# Altium PCB 1 040 1573.rev01.PcbDoc (part 1 of 3) (continued)
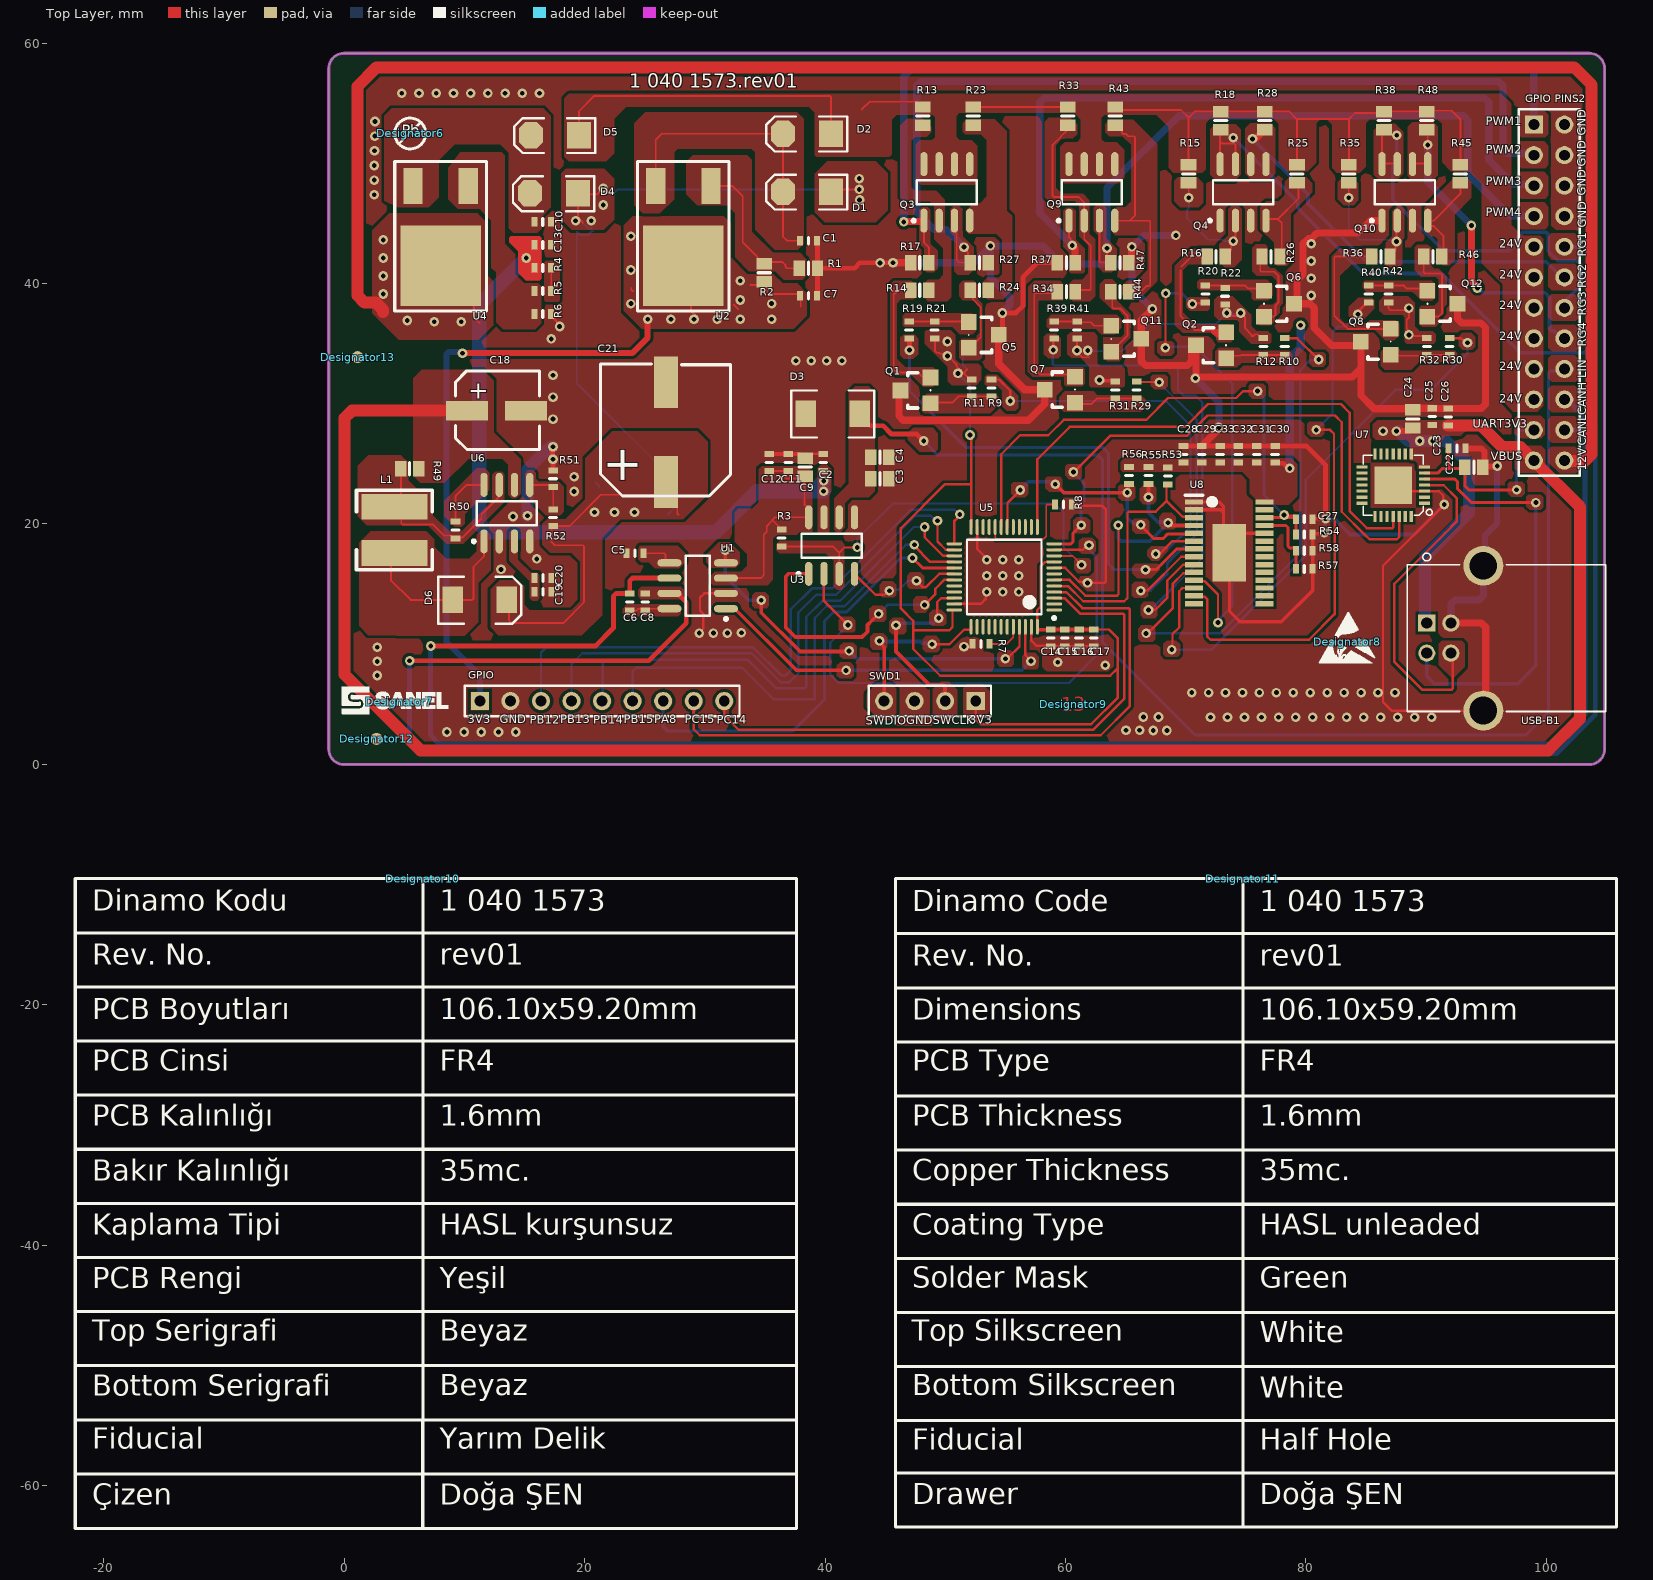
[diagram p0: Top Layer view]
## Part data
C1 C7 C10 C13 C25 C29: library part CAP_CER_SMD_1UF_50V_0603_AEC, "1 043 0030", LatestRevisionDate=17-Jul-2002, LatestRevisionNote="Re-released for DXP Platform.", PackageReference=RAD-0.3, Published=8-Jun-2000, Publisher="Altium Limited", Stok Kodu="1 043 0030"
C2 C11 C15 C23 C26 C27 C28: library part CAP_CER_SMD_100NF_50V_0603_AEC, "1 043 0098", LatestRevisionDate=17-Jul-2002, LatestRevisionNote="Re-released for DXP Platform.", PackageReference=RAD-0.3, Published=8-Jun-2000, Publisher="Altium Limited", Stok Kodu="1 043 0098"
C3 C4: library part CAP_CER_SMD_220PF_50V_0805, "1 043 0179", LatestRevisionDate=17-Jul-2002, LatestRevisionNote="Re-released for DXP Platform.", PackageReference=RAD-0.3, Published=8-Jun-2000, Publisher="Altium Limited", Stok Kodu="1 043 0179"
C5: library part CAP_CER_SMD_100NF_50V_0603, "1 043 0097", LatestRevisionDate=17-Jul-2002, LatestRevisionNote="Re-released for DXP Platform.", PackageReference=RAD-0.3, Published=8-Jun-2000, Publisher="Altium Limited", Stok Kodu="1 043 0097"
C6 C8: library part CAP_CER_SMD_22PF_50V_%5_0603, "1 043 0235", LatestRevisionDate=17-Jul-2002, LatestRevisionNote="Re-released for DXP Platform.", PackageReference=RAD-0.3, Published=8-Jun-2000, Publisher="Altium Limited", Stok Kodu="1 043 0235"
C9 C22: library part CAP_CER_SMD_4.7UF_35V_0805, "1 043 0232", LatestRevisionDate=17-Jul-2002, LatestRevisionNote="Re-released for DXP Platform.", PackageReference=RAD-0.3, Published=8-Jun-2000, Publisher="Altium Limited", Stok Kodu="1 043 0232"
C12 C16 C30 C31 C32 C33: library part CAP_CER_SMD_10NF_50V_0603_AEC, "1 043 0103", LatestRevisionDate=17-Jul-2002, LatestRevisionNote="Re-released for DXP Platform.", PackageReference=RAD-0.3, Published=8-Jun-2000, Publisher="Altium Limited", Stok Kodu="1 043 0103"
C14: library part CAP_CER_SMD_470NF_50V_0603, "1 043 0128", LatestRevisionDate=17-Jul-2002, LatestRevisionNote="Re-released for DXP Platform.", PackageReference=RAD-0.3, Published=8-Jun-2000, Publisher="Altium Limited", Stok Kodu="1 043 0128"
C17 C20: library part CAP_CER_SMD_1NF_50V_0603, "1 043 0109", LatestRevisionDate=17-Jul-2002, LatestRevisionNote="Re-released for DXP Platform.", PackageReference=RAD-0.3, Published=8-Jun-2000, Publisher="Altium Limited", Stok Kodu="1 043 0109"
C18: library part CAP_ALM_SMD_100UF_16V_1, "1 043 0020", LatestRevisionDate=17-Jul-2002, LatestRevisionNote="Re-released for DXP Platform.", PackageReference=POLAR0.8, Published=8-Jun-2000, Publisher="Altium Limited", Stok Kodu="1 043 0020"
C19: library part CAP_CER_SMD_560PF_50V_0603, "1 043 0220", LatestRevisionDate=17-Jul-2002, LatestRevisionNote="Re-released for DXP Platform.", PackageReference=RAD-0.3, Published=8-Jun-2000, Publisher="Altium Limited", Stok Kodu="1 043 0220"
C21: "1 043 0043", LatestRevisionDate=17-Jul-2002, LatestRevisionNote="Re-released for DXP Platform.", PackageReference=RAD-0.3, Published=8-Jun-2000, Publisher="Altium Limited", Stok Kodu="1 043 0043"
C24: library part CAP_CER_SMD_10UF_25V_0805, "1 043 0227", LatestRevisionDate=17-Jul-2002, LatestRevisionNote="Re-released for DXP Platform.", PackageReference=RAD-0.3, Published=8-Jun-2000, Publisher="Altium Limited", Stok Kodu="1 043 0227"
D1 D2 D4 D5: library part DIODE_1000V_2A_DO214AC_S2M_VISHAY_SA2M-E3/5AT, "1 044 0078", PackageDocument=Aug-1999, Code_JEDEC=DO-214-AC, ComponentLink1Description="Manufacturer Link", ComponentLink1URL=http://www.fairchildsemi.com/, ComponentLink2Description=Datasheet, ComponentLink2URL=http://www.fairchildsemi.com/ds/1N%2F1N4001.pdf, DatasheetDocument=1998, LatestRevisionDate=17-Jul-2002, LatestRevisionNote="Re-released for DXP Platform.", PackageReference=DO-41, Published=8-Jun-2000, Publisher="Altium Limited", Stok Kodu="1 044 0078"
D3: library part DIODE_TVS_53.3V_11.3A_DO214AA_SMBJ33CA, "1 044 0085", LatestRevisionDate=17-Jul-2002, LatestRevisionNote="Re-released for DXP Platform.", PackageDescription="Axial Lead Diode", PackageReference=DO-7, Published=24-Mar-1999, Publisher="Altium Limited", Stok Kodu="1 044 0085"
D6: "1 044 0063", Code_JEDEC=DO-214-AA, LatestRevisionDate=17-Jul-2002, LatestRevisionNote="Re-released for DXP Platform.", PackageReference=SMB, Published=8-Jun-2000, Publisher="Altium Limited", Stok Kodu="1 044 0063"
GPIO: "Header, 9-Pin", LatestRevisionDate=17-Jul-2002, LatestRevisionNote="Re-released for DXP Platform.", Publisher="Altium Limited"
"GPIO PINS2": library part "Header 12X2A", "Header, 12-Pin, Dual row", LatestRevisionDate=17-Jul-2002, LatestRevisionNote="Re-released for DXP Platform.", Publisher="Altium Limited"
L1: library part "47uH_900mA. Coil", "1 048 0071"
Q1 Q2 Q5 Q6 Q7 Q8 Q11 Q12: library part MOSFET_SMD_NCH_60V_2.7A_SOT23_INFINEON_IRLML0060, "1 045 0018", Manufacturer="Infineon Technologies", ComponentLink1Description="Manufacturer Link", ComponentLink1URL=http://www.irf.com/, DatasheetVersion=PD-9.814, LatestRevisionDate=17-Jul-2002, LatestRevisionNote="Re-released for DXP Platform.", Manufacturer Product Number=IRLML0060, Note="Pin 2 is electrically connected to pin 4.", PackageDescription="TO, Thru-Hole, Vertical, Heatsink Mounted; 3 In-Line Leads; Pitch 2.54 mm", PackageReference=TO-220AB, PackageVersion=Feb-1997, Published=8-Jun-2000, Publisher="Altium Limited", Stok Kodu="1 045 0018"
Q3 Q4 Q9 Q10: "1 045 0014", Manufacturer="Infineon Technologies", Manufacturer Product Number=IRF7342, Code_JEDEC=SOT-23, LatestRevisionDate=17-Jul-2002, LatestRevisionNote="Re-released for DXP Platform.", PackageReference=SOT-23B, Published=8-Jun-2000, Publisher="Altium Limited", Stok Kodu="1 045 0014"
R1: library part RES_SMD_560R_%1_0805, "1 042 0502", LatestRevisionDate=17-Jul-2002, LatestRevisionNote="Re-released for DXP Platform.", PackageReference=AXIAL-0.3, Published=8-Jun-2000, Publisher="Altium Limited", Stok Kodu="1 042 0502"
R2: library part RES_SMD_330R_%1_0805, "1 042 0617", LatestRevisionDate=17-Jul-2002, LatestRevisionNote="Re-released for DXP Platform.", PackageReference=AXIAL-0.3, Published=8-Jun-2000, Publisher="Altium Limited", Stok Kodu="1 042 0617"
R3: library part RES_SMD_10K_%1_0603_AEC, "1 042 0276", LatestRevisionDate=17-Jul-2002, LatestRevisionNote="Re-released for DXP Platform.", PackageReference=AXIAL-0.3, Published=8-Jun-2000, Publisher="Altium Limited", Stok Kodu="1 042 0276"
R4 R5: library part RES_SMD_470R_%1_0603, "1 042 0611", LatestRevisionDate=17-Jul-2002, LatestRevisionNote="Re-released for DXP Platform.", PackageReference=AXIAL-0.3, Published=8-Jun-2000, Publisher="Altium Limited", Stok Kodu="1 042 0611"
R6: library part RES_SMD_8K2_%1_0603, "1 042 0610", LatestRevisionDate=17-Jul-2002, LatestRevisionNote="Re-released for DXP Platform.", PackageReference=AXIAL-0.3, Published=8-Jun-2000, Publisher="Altium Limited", Stok Kodu="1 042 0610"
R7 R8 R11 R12 R21 R22 R31 R32 R41 R42: library part RES_SMD_1K_%1_0603_AEC, "1 042 0331", LatestRevisionDate=17-Jul-2002, LatestRevisionNote="Re-released for DXP Platform.", PackageReference=AXIAL-0.3, Published=8-Jun-2000, Publisher="Altium Limited", Stok Kodu="1 042 0331"
R9 R10 R19 R20 R29 R30 R39 R40: library part RES_SMD_100R_%1_0603_AEC, "1 042 0269", LatestRevisionDate=17-Jul-2002, LatestRevisionNote="Re-released for DXP Platform.", PackageReference=AXIAL-0.3, Published=8-Jun-2000, Publisher="Altium Limited", Stok Kodu="1 042 0269"
R13 R14 R15 R16 R23 R24 R25 R26 R33 R34 R35 R36 R43 R44 R45 R46: library part RES_SMD_470R_%1_0805, "1 042 0476", LatestRevisionDate=17-Jul-2002, LatestRevisionNote="Re-released for DXP Platform.", PackageReference=AXIAL-0.3, Published=8-Jun-2000, Publisher="Altium Limited", Stok Kodu="1 042 0476"
R17 R18 R27 R28 R37 R38 R47 R48: library part RES_SMD_10K_%1_0805, "1 042 0278", LatestRevisionDate=17-Jul-2002, LatestRevisionNote="Re-released for DXP Platform.", PackageReference=AXIAL-0.3, Published=8-Jun-2000, Publisher="Altium Limited", Stok Kodu="1 042 0278"
R49: library part RES_SMD_0R22_%5_0805, "1 042 0614", LatestRevisionDate=17-Jul-2002, LatestRevisionNote="Re-released for DXP Platform.", PackageReference=AXIAL-0.3, Published=8-Jun-2000, Publisher="Altium Limited", Stok Kodu="1 042 0614"
R50: library part RES_SMD_180R_%5_0603, "1 042 0558", LatestRevisionDate=17-Jul-2002, LatestRevisionNote="Re-released for DXP Platform.", PackageReference=AXIAL-0.3, Published=8-Jun-2000, Publisher="Altium Limited", Stok Kodu="1 042 0558"
R51: library part RES_SMD_270R_%1_0603, "1 042 0622", LatestRevisionDate=17-Jul-2002, LatestRevisionNote="Re-released for DXP Platform.", PackageReference=AXIAL-0.3, Published=8-Jun-2000, Publisher="Altium Limited", Stok Kodu="1 042 0622"
R52: library part RES_SMD_2K7_%1_0603, "1 042 0625", LatestRevisionDate=17-Jul-2002, LatestRevisionNote="Re-released for DXP Platform.", PackageReference=AXIAL-0.3, Published=8-Jun-2000, Publisher="Altium Limited", Stok Kodu="1 042 0625"
R53 R55: library part RES_SMD_2K_%5_0603, "1 042 0399", LatestRevisionDate=17-Jul-2002, LatestRevisionNote="Re-released for DXP Platform.", PackageReference=AXIAL-0.3, Published=8-Jun-2000, Publisher="Altium Limited", Stok Kodu="1 042 0399"
R54 R56: library part RES_SMD_100K_%1_0603_AEC, "1 042 0261", LatestRevisionDate=17-Jul-2002, LatestRevisionNote="Re-released for DXP Platform.", PackageReference=AXIAL-0.3, Published=8-Jun-2000, Publisher="Altium Limited", Stok Kodu="1 042 0261"
R57: library part RES_SMD_820K_%5_0603, "1 042 0543", LatestRevisionDate=17-Jul-2002, LatestRevisionNote="Re-released for DXP Platform.", PackageReference=AXIAL-0.3, Published=8-Jun-2000, Publisher="Altium Limited", Stok Kodu="1 042 0543"
R58: library part RES_SMD_39K_%5_0603, "1 042 0446", LatestRevisionDate=17-Jul-2002, LatestRevisionNote="Re-released for DXP Platform.", PackageReference=AXIAL-0.3, Published=8-Jun-2000, Publisher="Altium Limited", Stok Kodu="1 042 0446"
SWD1: "Header, 4-Pin", LatestRevisionDate=17-Jul-2002, LatestRevisionNote="Re-released for DXP Platform.", Publisher="Altium Limited"
U1: library part IC_TRANSCEIVER_SMD_SO8_NXPUSA_TJA1042, "1 046 0141", Manufacturer="NXP USA Inc.", Code_JEDEC=MS-012, ComponentLink1Description="Manufacturer Link", ComponentLink1URL=http://www.microchip.com, ComponentLink2Description=Datasheet, ComponentLink2URL=http://ww1.microchip.com/downloads/en/DeviceDoc/21667d.pdf, DatasheetVersion=Nov-2003, LatestRevisionDate=13-Apr-2006, LatestRevisionNote="IPC-7351 Footprint Added.", Manufacturer Product Number=TJA1042, PackageDescription="8-Pin Plastic Narrow Body Small Outline Integrated Circuit 1.27 mm Pitch", PackageReference=SOIC150-8, PackageVersion=Oct-2005, Published=6-Oct-2005, Publisher="Altium Limited", Stok Kodu="1 046 0141"
U2 U4: library part IC_REG_THT_TO220_LUMIMAX_LM317, "1 046 0079", Manufacturer="Lumimax Optoelectronic Technology", Manufacturer Product Number=LM317, Stok Kodu="1 046 0079"
U3: "1 046 0259", Mfr_Name="Texas Instruments", RefDes=RefDes, Type=Type
U5: "1 046 0212", Manufacturer=Manufacturer, Manufacturer Product Number=STM32F042C6T6, Stok Kodu="1 046 0212"
U6: library part IC_REG_SMD_SOIC8_TI_MC34063AD, "1 046 0094 (UTC)", Manufacturer="Texas Instruments", PartNumber=MC34063ADR, Rating=Catalog, Switch Current Limit(Typ)(A)=1.5, Code_JEDEC=MS-012AA, ComponentLink1Description=Datasheet, ComponentLink1URL=http://www.ti.com/general/docs/lit/getliterature.tsp?genericPartNumber=MC34063A&fileType=pdf, ComponentLink2Description="Package Specification", ComponentLink2URL=http://www.ti.com/litv/pdf/msoi002j, ComponentLink3Description="URL Link1", ComponentLink3URL="Samples URL:http://www.ti.com/product/mc34063a#samples", DatasheetVersion=SLLS636M, Duty Cycle(Max)(%)=90, Eco-Plan="Green (RoHS & no Sb/Br)", Manufacturer Product Number=MC34063AD, Mounting Technology="Surface Mount", PackageDescription="8-Pin Plastic Small Outline Integrated Circuit, 4.9 x 3.9 mm, Pitch 1.27 mm Pitch", PackageReference=D0008A, PackageVersion="revM, Jun-2011", Regulated Outputs(#)=1, Stok Kodu="1 046 0094 (UTC)", SubFamily="Step-Down Regulator", Topology="Buck, Inverting Buck-Boost", Vin(Max)(V)=40, Vin(Min)(V)=3, Vout(Max)(V)=40, Vout(Min)(V)=1.55, Iout(Max)(A)=0.75, Iq(Typ)(mA)=4
U7: "USB Bridge, USB to UART USB 2.0 UART Interface 28-QFN (5x5)", Package="VFQFN-28 Vishay Siliconix", Availability="In Stock", Check_prices=https://www.snapeda.com/parts/CP2102-GMR/Silicon+Labs/view-part/?ref=eda, MF=Silicon, MP=CP2102-GMR, Price=None, Purchase-URL=https://pricing.snapeda.com/search/part/CP2102-GMR/?ref=eda, SnapEDA_Link=https://www.snapeda.com/parts/CP2102-GMR/Silicon+Labs/view-part/?ref=snap

## Via types
v1: diameter 0.8, hole 0.4, Top Layer to Bottom Layer, tented both sides, 228 vias

## Nets (pads, with @x,y where several pads share a name; then routed paths per layer and width w, separated by ;. In a path a pad name is that pad's centre, name@x,y a point inside that pad or via, vN(x,y) a via of type N, cw(c..) or ccw(c..) an arc to the next point about the centre after c; other vN are vias at no path point)
12VREG: C21.1 D1.1 D4.1 D6.2 R52.2 | length 91.4
  Top Layer w0.152: D6.2@13.547,13.682 13.71,13.519 13.71,12.013 13.964,11.759 18.214,11.759 19.955,13.5 19.955,18.147 19.866,18.236 17.52,18.236 17.266,18.49 17.266,19.695 R52.2@17.393,19.822 18.752,19.822 21.355,22.425 25.986,22.425 C21.1@26.918,23.357 ; 19.855,45.025 19.855,45.097 19.447,45.505 19.447,47.425 D4.1@19.447,47.498 19.52,47.425 21.055,47.425 v1(21.555,47.925) ; v1@20.717,45.041 20.717,45.085 v1@20.844,45.212 ; C21.1@26.791,23.484 C21.1@26.918,23.357 ; 27.807,20.776 27.715,20.868 27.715,22.56 C21.1@26.918,23.357 ; D1.1@40.497,47.625 40.697,47.825 v1(42.855,47.825)
  Bottom Layer w0.152: 19.855,45.025 20.303,44.577 20.59,44.577 ; 20.755,44.349 20.59,44.349 20.355,44.114 20.355,44.025 19.677,44.025 19.355,44.347 19.355,31.702 27.483,23.574 27.483,21.341 26.918,20.776 ; 20.949,23.443 21.203,23.189 21.203,23.062 ; v1(21.555,47.925) 22.055,47.425 22.351,47.425 22.751,47.825 v1(42.855,47.825)
  other v1: 20.829,20.975 22.492,20.975 24.155,20.975 19.255,45.225 20.555,45.225 21.555,46.525 42.876,46.946 42.855,48.725
+24V: "GPIO PINS2.5" "GPIO PINS2.6" "GPIO PINS2.7" "GPIO PINS2.8" "GPIO PINS2.9" "GPIO PINS2.10" D2.1 D5.1 Q3.6 Q3.7 Q3.+24V Q9.5 Q9.6 Q9.7 Q9.8 R13.2 R15.2 R18.2 R23.2 R25.2 R28.2 R33.2 R35.2 R38.2 R43.2 R45.2 R48.2 | length 85.8
  Top Layer w0.152: D5.1@19.542,52.324 19.542,54.324 20.818,55.6 40.408,55.6 40.497,55.511 D2.1@40.497,52.451 ; 43.069,54.483 43.704,55.118 47.692,55.118 R13.2@48.135,54.676 ; Q3.7@49.492,49.926 Q3.7@49.532,49.966 ; R23.2@52.326,54.676 R33.2@60.2,54.676 ; R43.2@64.137,54.676 64.386,54.427 69.605,54.427 70.233,53.799 ; R15.2@70.233,49.862 70.233,53.799 ; R18.2@72.634,54.561 R18.2@72.9,54.295 ; R25.2@79.25,49.862 79.25,53.672 ; R35.2@83.568,49.862 83.568,53.672 ; R48.2@90.045,54.295 R38.2@86.489,54.295 86.374,54.18 84.076,54.18 83.568,53.672 ; R48.2@90.121,54.371 92.14,54.371 92.839,53.672 R45.2@92.839,49.862 ; 70.233,53.799 70.729,54.295 R18.2@72.9,54.295 ; R18.2@72.9,54.295 R28.2@76.583,54.295 78.627,54.295 79.25,53.672 ; 79.25,53.672 83.568,53.672
CANRx: U1.4 U5.45 | length 33.3
  Top Layer w0.2: v1(55.005,8.8) 55.155,8.8 56.176,9.821 56.176,10.869 56.165,10.88 56.165,11.44 U5.45@56.155,11.45
  Top Layer w0.3: v1(31.705,17.825) 31.705,16.825 U1.4@31.762,16.768 ; v1(34.705,13.65) 34.705,12.625 37.93,9.4 41.955,9.4 v1(42.005,9.45)
  Bottom Layer w0.3: v1(31.705,17.825) 31.705,15.625 33.68,13.65 v1(34.705,13.65) ; v1(42.005,9.45) 42.655,8.8 v1(55.005,8.8)
CANTx: U1.1 U5.46 | length 30.9
  Top Layer w0.2: U5.46@56.655,11.45 56.655,9.115 57.13,8.64 v1(57.13,8.6)
  Top Layer w0.3: U1.1@31.762,12.958 32.497,12.958 37.63,7.825 v1(41.755,7.825)
  Bottom Layer w0.3: v1(41.755,7.825) 56.355,7.825 v1(57.13,8.6)
GND: "GPIO PINS2.13" "GPIO PINS2.14" "GPIO PINS2.15" "GPIO PINS2.16" C1.1 C2.1 C3.1 C4.1 C5.2 C7.1 C9.1 C10.1 C11.1 C12.1 C13.1 C14.1 C15.1 C16.1 C17.1 C18.2 C19.1 C20.1 C21.2 C22.1 C23.1 C24.1 C25.2 C26.1 C27.1 C28.1 C29.2 C30.1 C31.1 C32.1 C33.1 D3.1 GPIO.2 Q1.1 Q2.1 Q4.1 Q4.3 Q5.1 Q6.1 Q7.1 Q8.1 Q10.1 Q10.3 Q11.1 Q12.1 R1.1 R6.1 R7.1 R8.2 R17.1 R27.1 R37.1 R47.1 R51.1 R54.1 R57.1 R58.1 SWD1.3 U1.2 U3.5 U5.8 U5.23 U5.35 U5.47 U6.2 U6.4 U7.3 U7.29 U8.1 U8.2 U8.24 U8.29 USB-B1.4 USB-B1.SH1 USB-B1.SH2 | length 337.8
  Top Layer w0.2: R6.1@17.226,37.465 17.376,37.315 17.376,37.165 17.815,36.726 17.815,36.54 v1(17.93,36.425) ; 29.88,11.275 29.88,12.519 29.605,12.794 29.605,13.875 29.958,14.228 U1.2@31.762,14.228 ; C9.1@38.355,25.475 38.705,25.825 C2.1@39.855,25.825 C2.1@40.055,25.825 ; R17.1@47.122,41.725 R17.1@47.131,41.734 ; U5.35@50.755,13.35 52.955,13.35 53.355,13.75 53.355,14.251 v1(53.456,14.352) ; v1(51.555,9.8) 52.13,9.8 52.28,9.95 R7.1@52.28,10.025 ; U5.23@52.655,19.75 52.655,17.925 v1@53.58,17 ; U5.47@57.155,11.45 57.155,10.3 57.58,9.875 58.725,9.875 C14.1@58.775,9.825 C15.1@59.93,9.825 C16.1@61.13,9.825 C17.1@62.355,9.825 ; U5.8@59.055,16.35 59.98,16.35 61.13,15.2 61.73,15.2 v1(61.83,15.1) 63.238,15.1 63.355,15.217 63.355,21.2 63.03,21.525 R8.2@60.53,21.525 ; U7.29@87.255,23.225 87.755,22.725 U7.3@89.845,22.725 91.042,22.725 91.409,22.358 91.409,21.721 v1(91.505,21.625) 86.405,16.525 86.405,5.2 87.12,4.485 USB-B1.SH1@94.755,4.485
  Top Layer w0.25: U8.1@70.681,21.827 72.778,21.827 73.13,21.475 73.13,20.95 ; 72.903,21.177 73.13,20.95 ; 74.505,11.875 73.619,12.761 U8.29@73.619,17.602 ; U8.29@74.919,19.227 73.619,17.927 U8.29@73.619,17.602 ; 73.13,20.95 73.13,18.091 U8.29@73.619,17.602
  Top Layer w0.3: C12.1@35.355,25.825 C11.1@36.955,25.825 37.905,25.825 C9.1@38.355,25.375 ; U8.2@70.681,21.177 72.903,21.177 ; 74.505,11.875 77.955,11.875 80.555,14.475 R57.1@80.555,16.275 R58.1@80.555,17.775 R54.1@80.555,19.125 80.63,19.2 81.43,19.2 v1(81.505,19.275) ; U8.29@74.919,19.227 U8.24@76.557,19.227 ; C27.1@80.555,20.405 80.577,20.427 81.607,20.427 v1(81.63,20.45)
  Top Layer w0.4: v1@17.33,25.4 17.343,25.413 17.343,26.412 v1@17.33,26.425 ; v1@17.355,25.4 v1(17.374,25.381) 17.374,24.481 R51.1@17.393,24.462 ; C7.1@39.324,38.989 39.374,39.039 R1.1@39.374,41.275 ; C1.1@39.336,43.561 39.386,43.511 39.386,41.287 R1.1@39.374,41.275 ; v1(45.655,41.725) 45.65,41.72 44.587,41.72 v1(44.581,41.715) 44.571,41.725 42.905,41.725 42.455,41.275 R1.1@39.374,41.275 ; Q5.1@54.455,35.725 54.755,36.025 v1(54.755,37.55) 55.88,37.55 56.455,38.125 56.455,40.525 57.664,41.734 R37.1@59.323,41.734 ; C28.1@69.809,26.495 C29.2@71.333,26.495 C33.1@72.857,26.495 C32.1@74.381,26.495 C31.1@75.905,26.495 C30.1@77.429,26.495 80.035,26.495 81.63,24.9 v1(81.63,20.45)
  Top Layer w0.5: C23.1@93.267,26.289 94.566,26.289 94.83,26.025 C22.1@94.83,24.85 ; C22.1@94.705,24.725 94.755,24.775 95.855,24.775 v1(95.905,24.825)
  Top Layer w0.6: v1(45.655,41.725) R17.1@47.122,41.725 ; Q1.1@46.275,31.105 46.155,30.985 46.155,28.976 46.506,28.625 56.93,28.625 58.279,29.974 58.279,31.167 Q7.1@58.284,31.173 56.607,31.173 54.455,33.325 Q5.1@54.455,35.725 ; R47.1@65.268,41.734 65.484,41.95 65.484,43.008 v1(65.522,43.046) ; v1(67.23,37.875) 67.227,37.875 66.306,36.954 Q11.1@66.306,35.404 66.306,33.526 66.657,33.175 70.156,33.175 70.507,33.526 70.507,34.506 Q2.1@70.857,34.856 ; v1@70.827,32.103 70.888,32.163 70.985,32.163 71.036,32.214 83.844,32.214 84.573,32.943 ; v1@70.843,32.157 Q2.1@70.843,34.842 ; C29.2@71.333,26.495 72.717,27.879 72.717,27.987 v1(72.755,28.025) ; Q6.1@79.006,38.325 79.255,38.574 79.255,40.275 79.755,40.775 79.755,43.3 80.205,43.75 80.455,43.75 80.905,44.2 84.33,44.2 85.356,45.226 Q10.1@86.322,45.226 ; Q6.1@79.255,38.325 80.329,38.325 80.68,37.973 80.68,36.3 82.124,34.856 84.573,34.856 84.573,32.943 ; C24.1@88.801,29.575 85.675,29.575 84.573,30.676 84.573,32.943 ; C24.1@88.891,29.485 89.036,29.63 90.5,29.63 C25.2@90.505,29.625 90.517,29.612 91.813,29.612 C26.1@91.825,29.6 94.579,29.6 94.93,29.951 94.93,36.35 94.555,36.725 92.946,36.725 92.595,37.076 Q12.1@92.595,38.325 ; USB-B1.4@92.045,11.755 94.604,11.755 94.955,11.404 94.955,4.685 USB-B1.SH1@94.755,4.485
  Bottom Layer w0.3: v1(81.505,19.275) 81.567,19.338 81.567,20.387 v1(81.63,20.45) ; v1@81.726,20.354 82.451,20.354 83.68,19.125 89.005,19.125 v1(91.505,21.625)
  Bottom Layer w0.5: USB-B1.SH2@94.755,16.525 94.88,16.65 94.88,19.025 95.905,20.05 v1(95.905,24.825)
  Bottom Layer w0.6: v1(45.655,41.725) 52.355,41.725 v1(53.755,43.125) ; v1(54.755,37.55) 54.755,37.604 55.355,38.204 55.355,38.886 53.755,40.486 v1(53.755,43.125) ; 65.484,41.976 65.132,41.625 59.655,41.625 58.155,43.125 v1(53.755,43.125) ; v1(67.23,37.875) 66.193,38.912 65.968,38.912 65.522,39.358 v1(65.522,43.046) 65.529,43.046 66.483,44 v1(69.18,44) ; v1(70.805,32.125) 72.755,30.175 v1(72.755,28.025) ; USB-B1.4@92.045,11.755 92.049,11.759 92.049,13.324 92.4,13.675 94.38,13.675 94.755,14.05 USB-B1.SH2@94.755,16.525
  Bottom Layer w1: v1(15.255,20.679) 15.255,24.55 16.959,26.254 17.051,26.254 17.222,26.425 v1@17.33,26.425
  other v1: 8.555,2.7 9.986,2.7 11.418,2.7 12.849,2.7 14.28,2.7 67.297,2.825 68.43,2.825 65.03,2.85 66.163,2.85 72.061,3.925 73.476,3.925 74.89,3.925 76.305,3.925 77.719,3.925 79.133,3.925 80.548,3.925 81.962,3.925 83.377,3.925 84.791,3.925 86.205,3.925 87.62,3.925 89.034,3.925 90.449,3.925 66.48,3.95 67.73,3.95 70.493,5.975 71.901,5.975 73.31,5.975 74.719,5.975 76.128,5.975 77.537,5.975 78.946,5.975 80.354,5.975 81.763,5.975 83.172,5.975 84.581,5.975 85.99,5.975 87.399,5.975 2.755,7.4 63.305,8.25 59.355,8.5 2.755,8.575 2.755,9.75 29.547,10.925 30.713,10.925 31.88,10.925 33.047,10.95 54.781,14.352 56.106,14.352 53.456,15.689 54.781,15.689 56.106,15.689 13.055,16.225 53.456,17.027 54.781,17.027 56.106,17.027 16.03,17.1 14.055,20.625 19.13,22.7 19.13,23.925 17.374,26.425 17.374,28.725 17.374,30.55 17.374,32.375 37.58,33.575 38.855,33.575 40.13,33.575 41.405,33.575 17.237,35.393 80.43,39.006 80.43,40.438 80.43,41.869 80.43,43.3 2.505,47.375 2.505,48.595 2.505,49.815 2.53,51.035 2.555,52.255 2.58,53.475 4.805,55.825 6.236,55.825 7.667,55.825 9.099,55.825 10.53,55.825 11.961,55.825 13.392,55.825 14.824,55.825 16.255,55.825
LIN_NRES: R3.1 U3.3 U5.10 | length 35.4
  Top Layer w0.152: R3.1@36.397,18.14 40.653,18.14 41.183,17.61 ; U3.3@41.183,15.855 41.183,17.61 ; v1(42.68,18.05) 41.623,18.05 41.183,17.61 ; U5.10@59.055,17.35 60.58,17.35 v1(61.33,16.6)
  Bottom Layer w0.152: v1(42.68,18.05) 42.68,18.75 45.63,21.7 59.105,21.7 59.83,20.975 59.83,18.1 v1(61.33,16.6)
LINEN: U3.2 U5.11 | length 45.7
  Top Layer w0.152: U3.2@39.909,15.851 U3.2@39.913,15.855 ; 61.222,17.85 61.442,17.85 61.817,18.225 v1(61.955,18.225)
  Top Layer w0.2: U3.2@39.909,15.851 39.909,13.596 v1(41.905,11.6) ; U5.11@59.055,17.85 61.222,17.85
  Bottom Layer w0.2: v1(41.905,11.6) 40.434,10.129 40.434,7.496 41.155,6.775 60.28,6.775 62.584,9.079 62.584,17.248 62.07,17.762 62.07,18.11 v1(61.955,18.225)
LINRx: U3.1 U5.31 | length 23.2
  Top Layer w0.2: v1(48.28,13.275) 49.175,14.17 49.175,14.62 49.905,15.35 U5.31@50.659,15.35
  Top Layer w0.3: U3.1@38.643,15.855 36.96,15.855 36.73,15.625 36.73,11.383 37.513,10.6 43.08,10.6 43.53,11.05 43.53,11.6 43.93,12 v1(44.455,12.525)
  Bottom Layer w0.2: v1(44.455,12.525) 45.205,13.275 48.05,13.275 48.165,13.39 v1(48.28,13.275)
LINTx: U3.4 U5.30 | length 10.2
  Top Layer w0.2: U3.4@42.453,15.855 44.196,14.112 44.938,14.112 45.276,14.45 v1(45.355,14.45) ; v1(47.605,15.275) 48.155,14.725 48.371,14.725 49.496,15.85 U5.30@50.755,15.85
  Bottom Layer w0.2: v1(45.355,14.45) 45.443,14.538 46.155,14.538 46.892,15.275 v1(47.605,15.275)
NetC1_2: C1.2 D1.2 D2.2 U2.3 | length 24.7
  Top Layer w0.152: U2.3@25.92,48.121 25.92,51.939 26.432,52.451 D2.2@36.497,52.451 36.497,46.99 36.497,43.91 36.846,43.561 C1.2@37.936,43.561
NetC3_2: "GPIO PINS2.21" C3.2 C4.2 D3.2 U3.6 | length 107.9
  Top Layer w0.4: D3.2@42.88,29.15 42.88,28.9 43.53,28.25 43.689,28.25 43.764,28.175 44.83,28.175 45.53,27.475 47.63,27.475 v1(48.205,26.9)
  Bottom Layer w0.25: v1(48.205,26.9) 49.38,25.725 62.684,25.725 63.063,25.346 63.063,10.176 70.791,2.448 98.278,2.448 100.18,4.35 100.18,32.588 100.326,32.734 101.33,32.734 101.489,32.893
NetC5_1: C5.1 U1.5 | length 2.8
  Top Layer w0.152: C5.1@24.905,17.57 26.618,17.57 26.745,17.443 26.745,16.975 26.952,16.768 U1.5@27.062,16.768
NetC6_1: C6.1 C8.1 U1.8 | length 3.4
  Top Layer w0.152: C6.1@23.755,12.806 24.332,12.806 24.484,12.958 U1.8@27.062,12.958 U1.8@27.055,12.951
NetC6_2: "GPIO PINS2.23" C6.2 U1.6 | length 154.3
  Top Layer w0.4: v1(7.205,9.85) 20.905,9.85 22.405,11.35 22.405,13.991 22.639,14.225 C6.2@23.755,14.225 23.755,15.264 23.989,15.498 U1.6@27.062,15.498
  Bottom Layer w0.4: v1(7.205,9.85) 7.18,9.825 7.18,2.45 7.93,1.7 100.712,1.7 100.741,1.728 103.205,4.193 103.205,27.579 102.971,27.813 101.489,27.813
NetC8_2: "GPIO PINS2.22" C8.2 U1.7 | length 162.2
  Top Layer w0.4: v1(5.455,8.625) 25.33,8.625 28.466,11.761 28.466,13.474 27.712,14.228 U1.7@27.062,14.228
  Bottom Layer w0.4: v1(5.455,8.625) 5.455,1.959 6.514,0.9 100.837,0.9 104.055,4.118 104.055,27.979 101.681,30.353 101.489,30.353
NetC10_2: C10.2 D4.2 D5.2 U4.3
NetC19_2: C19.2 C20.2 U6.3
NetC27_2: C27.2 R54.2 U5.19 U8.26 | length 45.7
  Top Layer w0.2: U5.19@54.655,19.75 54.655,25.8 56.23,27.375 58.567,27.375 59.867,28.675 66.73,28.675 68.534,30.479 74.205,30.479 74.776,31.05 v1(75.98,31.05)
  Top Layer w0.25: U8.26@76.557,20.527 C27.2@79.155,20.527 ; v1(78.18,20.75) 78.25,20.68 79.03,20.68 79.155,20.555 C27.2@79.155,20.527 ; R54.2@79.155,19.229 C27.2@79.155,20.405 C27.2@79.155,20.527
  Bottom Layer w0.25: v1(75.98,31.05) 76.509,30.521 76.509,22.421 v1(78.18,20.75)
NetD6_1: D6.1 L1.2 U6.1 | length 15.1
  Top Layer w0.152: L1.2@4.185,17.581 3.898,17.294 3.898,15.315 5.531,13.682 D6.1@9.047,13.682 10.666,13.682 10.755,13.771 10.755,16.425 11.638,17.308 U6.1@11.638,18.553
"NetGPIO PINS2_1": "GPIO PINS2.1" Q3.1 R17.2 | length 75
  Top Layer w0.152: Q3.1@48.222,45.226 48.222,43.425 48.643,43.004 48.643,41.746 R17.2@48.631,41.734
  Top Layer w0.6: v1(46.555,45.125) 46.58,45.15 48.222,45.15 Q3.1@48.222,45.226
  Bottom Layer w0.6: v1(46.555,45.125) 46.555,57.207 47.448,58.1 98.598,58.1 98.949,57.749 98.949,53.213
"NetGPIO PINS2_2": "GPIO PINS2.2" Q3.3 R27.2 | length 78.8
  Top Layer w0.152: Q3.3@50.762,45.226 50.762,44.356 50.955,44.163 50.955,41.961 51.183,41.734 R27.2@52.084,41.734 51.899,41.918 51.899,42.542 51.555,42.886 v1(51.555,43.025)
  Bottom Layer w0.6: v1(51.555,43.025) 50.085,44.495 49.058,44.495 47.627,45.927 47.627,56.449 47.978,56.8 96.029,56.8 96.38,56.449 96.38,51.176 96.731,50.825 98.797,50.825 98.949,50.673
"NetGPIO PINS2_3": "GPIO PINS2.3" Q9.1 R37.2 | length 63.8
  Top Layer w0.152: Q9.1@60.287,45.226 60.287,43.875 60.431,43.73 60.431,43.295 v1(60.555,43.171)
  Top Layer w0.6: v1(60.555,43.171) 60.798,42.928 60.798,41.759 R37.2@60.823,41.734
  Bottom Layer w0.6: v1(60.555,43.171) 57.855,45.871 57.855,55.074 58.206,55.425 94.854,55.425 95.205,55.074 95.205,50.275 97.255,48.225 98.857,48.225 98.949,48.133
"NetGPIO PINS2_4": "GPIO PINS2.4" Q9.3 R47.2 | length 54.5
  Top Layer w0.152: Q9.3@62.827,45.226 62.827,41.823 62.916,41.734 R47.2@63.768,41.734 63.455,42.046 v1@63.455,42.625
  Bottom Layer w0.6: v1(63.455,42.925) 63.455,47.975 69.43,53.95 93.104,53.95 93.455,53.599 93.455,49.125 96.955,45.625 98.917,45.625 98.949,45.593
"NetGPIO PINS2_17": "GPIO PINS2.17" Q4.7 Q4.8 R18.1 | length 54
  Top Layer w0.152: Q4.8@72.86,49.926 72.86,52.755 R18.1@72.9,52.795 ; 72.9,51.767 73.027,51.64 74.04,51.64 74.13,51.551 Q4.7@74.13,49.926
  Bottom Layer w0.3: v1(73.955,52.125) 79.31,46.77 79.31,46.286 84.766,40.83 91.25,40.83 97.855,34.225 103.104,34.225 103.855,34.976 103.855,42.702 103.504,43.053 101.489,43.053
"NetGPIO PINS2_18": "GPIO PINS2.18" Q4.5 Q4.6 R28.1 | length 32.5
  Top Layer w0.6: v1(75.555,52.025) 75.593,52.063 75.826,52.063 76.558,52.795 R28.1@76.583,52.795
  Bottom Layer w0.3: v1(75.555,52.025) 80.164,47.416 80.164,46.639 85.004,41.8 99.979,41.8 101.266,40.513 101.489,40.513
"NetGPIO PINS2_19": "GPIO PINS2.19" Q10.7 Q10.8 R38.1 | length 34.2
  Top Layer w0.152: R38.1@86.489,52.795 86.322,52.628 Q10.8@86.322,49.926 86.372,49.976 87.542,49.976 Q10.7@87.592,49.926
  Bottom Layer w0.3: v1(87.555,52.325) 87.555,50.199 87.204,49.848 87.204,46.968 91.447,42.725 96.921,42.725 97.405,43.209 97.405,43.625 98.055,44.275 99.955,44.275 100.155,44.075 100.155,42.687 100.938,41.905 101.005,41.905 101.011,41.899 101.967,41.899 101.973,41.905 102.538,41.905 102.889,41.553 102.889,39.859 101.661,38.631 101.661,38.145 101.489,37.973